# Allegro board BeagleBone AI -64_PCB_V1.02_211119.brd (continued)
## Routing (per net, layer and track width the routed paths; a pad name or vN(x,y) marks a point on that pad's centre or on a via; arc(x,y) is an arc through that point)
2V5/3V3: length 6.9
  TOP w0.203: C543.1 11.76,26.57 11.26,26.57 11.14,26.46 U18.4
  TOP w0.381: v1(12.68,27.84) 12.45,27.61 C543.1
  L10-SIGNAL w0.381: v1(12.33,24.03) 12.33,24.56 12.12,24.77 12.12,27.28 v1(12.68,27.84)
GND: length 2394.5
  TOP w0.076: U26.N2 20.48,62.97 19.81,62.97 v1(19.67,63.12)
  TOP w0.102: U25.G12 17.91,41.29 18.52,41.29 18.56,41.26 18.75,41.26 18.78,41.29
  TOP w0.152: U26.N5 U26.P6
  TOP w0.165: C414.2 4.82,21.71 v1(4.71,21.82) 4.71,21.32 ; v1(-12.39,32.77) -12.49,32.87 C349.2 -12.93,32.6 v1(-12.97,32.56) ; R269.2 -21.23,45.42 -21.28,45.42 v1(-21.3,45.44) ; C354.2 v1(-12.48,34.47) ; J15.4 0.19,72.92 v1(-0.17,73.28) ; C491.2 34.93,54.76 v1(35.06,54.64) ; R218.2 v1(-25.33,57.32) ; D40.1 v1(17.33,20.53) ; C346.2 v1(-16.98,32.36) ; v1(-22.68,71.73) -22.37,72.04 -21.48,72.04 -21.08,71.63 -20.39,71.63 -20.22,71.46 ; v1(-22.68,71.73) -23.03,71.38 J13.7 ; v1(-22.68,71.73) -22.57,71.63 -21.79,71.63 -21.53,71.37 J13.10 ; R263.2 R262.2 -21.56,48.51 -21.56,49.33 -21.41,49.48 -21.41,49.5 -21.38,49.53 v1(-21.38,49.96) ; v1(-13.28,26.19) -13.4,26.06 R294.2 ; v1(35.03,53.39) 34.88,53.24 C492.2 ; -19.57,40.47 -19.59,40.49 v1(-19.7,40.49) ; J13.19 -17.03,72.23 -17.62,72.82 -19.5,72.82 ; v1(12.27,5.61) 12.27,5.69 12.17,5.79 12.17,7.65 11.81,8.01 D39.2 ; v1(37.29,67.34) 36.91,66.96 C496.2 ; J13.4 -24.53,72.47 v1(-23.97,73.03) ; v1(-32.68,43.59) -32.61,43.59 -32.49,43.7 R178.2 ; J13.1 v1(-26.03,73.23) ; C322.2 v1(-30.62,21.77) ; v1(44,6.96) 44.45,6.51 45.22,6.51 D47.1 ; U13.8 v1(-34.24,16.69) ; v1(23.73,28.09) 23.88,28.25 24.26,28.25 24.52,28.5 24.52,28.94 ; J13.13 -20.03,71.27 ; v1(-8.43,30.33) -8.53,30.23 R297.1 ; R271.2 R267.2 -21.67,42.57 -21.97,42.27 -22.49,42.27 v1(-23.11,41.66) ; D42.1 50.97,72.45 50.98,72.44 v1(50.98,72.01) ; R298.2 v1(6.25,8.01) ; C343.2 v1(-18.89,32.36) ; v1(9.51,22.02) 9.51,21.85 9.48,21.82 C540.2 ; R168.2 -35.45,36.25 v1(-35.47,36.23) ; v1(-21.57,38.59) -21.57,38.8 -21.16,39.2 R261.2 -21.22,39.22 -21.87,39.87 R246.2 ; D38.2 9.73,8.01 9.56,8.18 v1(9.43,8.18) ; D33.1 v1(-24.85,27.97) ; v1(-22.63,54.66) -22.73,54.77 R233.2 -22.19,55.01 -21.61,55.59 R259.2 ; C344.2 v1(-17.92,32.37) ; -1.31,69.46 J15.1 ; 40.94,17.26 v1(41.44,17.26) ; C449.2 v1(15.41,9.06)
  TOP w0.203: D29.1 -28.69,53.14 v1(-28.68,53.15) ; 32.32,71.63 32.19,71.5 31.46,71.5 31.15,71.19 J16.1 ; v1(40.06,20.68) 40.06,21.13 40.07,21.14 U29.21 40.07,22.75 v1(40.04,22.79) ; v1(39.5,4.29) 39.5,4.97 39.49,4.98 D44.1 ; v1(18.78,22.25) 18.52,22.51 R317.2 ; J13.16 -18.53,71.07 -18.71,71.25 -20.01,71.25 -20.22,71.46 ; U18.11 8.26,26.96 U18.6 ; U21.10 48.79,8.93 v1(48.57,9.15) 48.57,8.69 48.39,8.51 U21.11 ; D43.1 35.33,4.78 35.29,4.75 v1(35.29,4.29) ; C456.2 17.71,22.48 v1(17.43,22.2) ; v1(42.32,48.64) 42.27,48.69 42.27,48.92 42.13,49.06 U30.21 ; 44.06,11.2 v1(44.08,11.2)
  TOP w0.229: v1(-14.69,58.39) -14.29,57.99 U19.AF25 ; U19.AF20 -10.29,57.99 v1(-10.69,58.39)
  TOP w0.241: v1(39.75,34.3) 40.63,34.3 ; v1(39.75,34.3) 38.87,34.3 ; v1(39.75,34.3) 39.75,33.31 ; -23.88,52.58 C334.2 -23.45,52.15 ; C336.2 -22.06,24.26 ; C336.2 -23.44,24.26 ; C336.2 -22.75,25.13 ; C336.2 -22.75,23.38 ; -25.01,36.71 C333.2 ; C333.2 -24.58,37.14 ; C333.2 -24.58,36.29 ; P8.2 19.82,72.92 ; P8.2 18.87,73.86 ; P8.2 18.87,71.98 ; P8.2 17.93,72.92 ; 4.36,11.61 C408.2 4.68,11.27 ; J9.12 -25.99,1.55 ; J9.12 -27.07,0.47 ; J9.12 -25.99,-0.61 ; J9.12 -24.91,0.47 ; -28.41,44.15 R193.2 -28.1,44.49 ; 42.13,33.27 C515.2 ; C515.2 41.25,34.26 ; C515.2 42.13,35.26 ; C515.2 43,34.26 ; -15.36,8.63 J8.13 ; J8.13 -14,8.63 ; J8.13 -14.68,9.3 ; J8.13 -14.68,7.95 ; C407.2 4.27,22.17 ; C407.2 3.39,21.49 ; C407.2 2.51,22.17 ; -3.57,32.96 C379.2 ; C379.2 -2.95,33.59 ; C379.2 -2.95,32.34 ; 19.33,9.05 C458.2 19.33,10.95 ; -43.67,16.75 v1(-43.67,17.98) ; v1(-43.67,17.98) -43.67,19.21 ; v1(-43.67,17.98) -42.15,17.98 ; MH8.1 45.56,40.19 ; MH8.1 39.41,40.19 ; MH8.1 42.48,43.27 ; MH8.1 42.48,37.11 ; J1.6 -43.67,9.96 ; J1.6 -43.67,7.5 ; J1.6 -42.15,8.73 ; J1.6 -45.2,8.73 ; -5.51,19.8 U20.65 ; U20.65 -5.51,26.25 ; U20.65 -8.73,23.02 ; U20.65 -2.28,23.02 ; 32.15,22.09 C487.2 ; C487.2 32.78,21.47 ; C487.2 32.78,22.71 ; C490.2 35.51,56.29 ; C490.2 34.88,56.91 ; C490.2 34.26,56.29 ; C490.2 34.88,55.66 ; C350.1 -13.28,18.05 ; C350.1 -13.7,17.62 ; C350.1 -14.13,18.05 ; C337.2 -21.87,26 ; C337.2 -22.19,25.67 ; C337.2 -21.87,25.33 ; -24.69,41.24 v1(-24.69,41.67) ; v1(-24.69,41.67) -25.12,41.67 ; v1(-24.69,41.67) -24.69,42.1 ; 39.13,65.74 C507.2 39.82,66.62 ; 32.78,27.49 C483.2 ; C483.2 32.78,28.74 ; C483.2 32.15,28.11 ; C483.2 33.4,28.11 ; 34.26,53.24 C492.2 ; C492.2 34.88,52.62 ; C492.2 35.51,53.24 ; 2.56,26.57 C399.2 ; C399.2 2.99,26.14 ; C399.2 3.41,26.57 ; 13.16,12.33 R312.2 12.3,12.33 ; -24.42,28.23 D33.1 -24.85,28.66 ; -35.45,37.16 R168.2 -35.88,36.73 ; v1(-25.09,37.96) -25.09,38.58 ; v1(-25.09,37.96) -24.46,37.96 ; v1(-25.09,37.96) -25.09,37.34 ; 39.95,62.29 C505.2 ; C505.2 40.82,61.3 ; C505.2 41.7,62.29 ; C505.2 40.82,63.29 ; 45.69,13.92 C546.2 47.42,14.87 ; C397.2 1.15,26.63 ; C397.2 1.47,26.29 ; C397.2 1.15,25.96 ; 39.74,19.54 C502.2 39.05,20.42 ; 12.03,68.11 C434.2 13.4,68.11 ; 15.1,6.66 v1(15.1,7.54) ; v1(15.1,7.54) 14.41,7.54 ; v1(15.1,7.54) 15.1,8.41 ; C488.2 35.43,12.22 ; C488.2 33.67,12.22 ; C488.2 34.55,12.91 ; R175.2 -33.12,39.78 ; R175.2 -33.55,40.21 ; R175.2 -33.98,39.78 ; -15.36,5.43 J8.4 ; J8.4 -14.68,6.1 ; J8.4 -14,5.43 ; J8.4 -14.68,4.75 ; -14.23,20.73 X4.2 -15.65,20.73 ; -0.54,15.94 C324.2 -0.88,16.26 ; 21.81,68.32 C462.2 21.49,67.98 ; -22.15,26.81 D35.1 -21.29,26.81 ; 35.61,43.44 R344.2 34.76,43.44 ; -26.03,69.49 J13.1 -26.36,70.31 ; U15.49 -30.97,34.63 ; U15.49 -28.24,31.9 ; U15.49 -30.97,29.17 ; U15.49 -33.7,31.9 ; 28.02,73.46 J16.24 ; J16.24 30.18,73.46 ; J16.24 29.1,72.18 ; J16.24 29.1,74.74 ; 42.38,50.7 U30.57 ; U30.57 42.38,57.05 ; U30.57 45.55,53.87 ; U30.57 39.2,53.87 ; 23.97,31.24 C464.2 ; C464.2 25.72,31.24 ; C464.2 24.84,30.25 ; -23.83,48.47 C335.2 -23.4,48.04 ; 30.17,16.61 C478.2 30.85,16.61 ; C376.2 -4.85,30.8 ; C376.2 -5.28,30.37 ; C376.2 -5.71,30.8 ; C391.2 2.71,29.99 ; C391.2 2.28,29.57 ; C391.2 2.28,30.42 ; -13.66,21.52 C351.1 -13.23,21.09 ; -11.67,66.52 C360.2 -12.91,66.52 ; 36.51,14.39 C498.2 36.17,14.07 ; C465.2 25.72,28.94 ; C465.2 24.84,27.95 ; C465.2 24.84,29.93 ; C465.2 24.52,28.94 ; C491.2 34.88,55.39 ; C491.2 34.26,54.76 ; C491.2 34.88,54.14 ; -27.67,38.42 R197.2 -27.67,39.28 ; -34.25,45.32 C318.2 -34.57,44.98 ; 0.69,64.43 C389.2 -0.55,64.43 ; -0.57,33.68 C386.2 -0.14,33.26 ; J12.6 -31.31,54.32 ; J12.6 -32.43,54.8 ; J12.6 -32.43,53.85 ; -27.58,44.05 v1(-27.58,44.48) ; v1(-27.58,44.48) -28.01,44.48 ; v1(-27.58,44.48) -27.58,44.91 ; 43.9,47.5 C517.2 43.21,46.62 ; 15.72,11.37 U22.2 17.09,11.37 ; C327.2 -27.22,26 ; C327.2 -27.54,25.66 ; C327.2 -27.22,25.32 ; 52.61,19.95 J2.1 51.92,20.64 ; -15.83,29.53 R285.2 -15.4,29.1 ; C499.2 37.34,14.79 ; C499.2 37.77,14.36 ; C499.2 36.92,14.36 ; -29.16,73.46 J13.24 -27,73.46 ; -25.27,46.9 X2.2 ; X2.2 -25.9,47.58 ; X2.2 -24.64,47.58 ; 40.32,22.72 v1(40.32,25.89) ; v1(40.32,25.89) 37.15,25.89 ; v1(40.32,25.89) 40.32,29.07 ; -26.77,45 X2.4 -27.4,45.68 ; 34.88,51.17 C493.2 ; C493.2 34.26,51.79 ; C493.2 34.88,52.41 ; C493.2 35.51,51.79 ; C364.2 -11.33,33.32 ; C364.2 -11.95,32.7 ; C364.2 -11.33,32.08 ; C364.2 -10.71,32.7 ; 14.92,24.75 C447.2 ; C447.2 15.8,25.43 ; C447.2 15.8,24.06 ; -37.55,43.03 v1(-37.55,42.35) -37.55,41.66 ; C453.2 19.09,16.33 ; C453.2 18.47,15.71 ; C453.2 18.47,16.96 ; C453.2 17.85,16.33 ; 17.93,70.38 P8.1 ; P8.1 19.82,70.38 ; P8.1 18.87,71.32 ; -27.48,49.33 v1(-27.05,49.33) -27.05,48.91 ; C494.2 35.51,50.35 ; C494.2 34.26,50.35 ; C494.2 34.88,50.98 ; 22.54,15.64 Q2.2 22.54,16.64 ; J15.23 12.31,73.46 ; J15.23 10.16,73.46 ; J15.23 11.24,72.18 ; J15.23 11.24,74.74 ; 43.15,61.33 C518.2 ; C518.2 44.03,62.32 ; C518.2 42.27,62.32 ; C365.2 -9.78,62.61 ; C365.2 -10.41,61.99 ; C365.2 -10.41,63.24 ; C365.2 -11.03,62.61 ; v1(3.44,13.01) 4.12,13.01 ; v1(3.44,13.01) 3.44,12.13 ; v1(3.44,13.01) 2.75,13.01 ; Q4.2 49.76,69.2 ; Q4.2 49.26,68.64 ; Q4.2 49.76,68.08 ; Q4.2 50.25,68.64 ; C486.2 32.78,24.18 ; C486.2 32.15,23.56 ; C486.2 32.78,22.94 ; -27.6,25.82 D30.1 -28.03,25.39 ; 7.76,57.71 R301.2 8.08,57.38 ; 7.77,66.48 C416.2 7.77,64.67 ; C388.2 -0.15,15.37 ; C388.2 1.3,14.43 ; C388.2 -0.15,13.49 ; 40.18,45.33 C506.2 ; C506.2 41.06,46.32 ; C506.2 41.94,45.33 ; C506.2 41.06,44.34 ; 23.84,1.2 J6.2 ; J6.2 25.77,0.42 ; J6.2 25.77,1.97 ; J6.2 27.7,1.2 ; C526.2 48.88,67.93 ; C526.2 48.88,66.18 ; C526.2 49.56,67.06 ; -11.73,34.39 C363.2 ; C363.2 -11.3,33.96 ; C363.2 -11.3,34.82 ; 2.23,31.28 C401.2 2.86,30.65 ; 15.96,14.18 R315.2 16.3,14.49 ; 44.53,11.15 U34.3 44.04,11.84 ; C382.2 -2.96,65.11 ; C382.2 -3.58,64.48 ; C382.2 -2.34,64.48 ; C545.2 43.06,15.79 ; C545.2 43.38,15.46 ; C545.2 43.06,15.12 ; 8.84,4.08 J7.8 10.01,4.08 ; 40.13,32.11 C512.2 ; C512.2 40.82,32.99 ; C512.2 41.5,32.11 ; X3.4 -24.57,52.41 ; X3.4 -25.83,52.41 ; X3.4 -25.2,51.73 ; C326.2 -27.27,24.26 ; C326.2 -28.64,24.26 ; C326.2 -27.96,23.38 ; C523.1 48.93,65.69 ; C523.1 48.26,65.69 ; C523.1 48.6,66 ; 48.98,37.83 U33.4 48.67,38.65 ; C372.2 -5.89,33.57 ; C372.2 -5.89,32.32 ; C372.2 -6.51,32.95 ; 46.76,26.96 C521.2 47.63,27.65 ; 38.35,32.11 C501.2 ; C501.2 39.73,32.11 ; C501.2 39.04,32.99 ; 9.6,9.8 R307.2 9.17,9.37 ; -11.18,6.25 J8.7 ; J8.7 -11.86,6.93 ; J8.7 -10.5,6.93 ; J8.7 -11.18,7.6 ; C439.2 13.86,28.79 ; C439.2 13.54,28.45 ; C439.2 13.86,28.11 ; 20.47,24.66 P9.E4 ; P9.E4 21.41,25.6 ; P9.E4 22.36,24.66 ; C387.2 1.15,31.81 ; C387.2 -0.22,31.81 ; C387.2 0.47,30.93 ; -30.92,38.85 R185.2 -30.49,39.28 ; -38.63,43.65 U11.3 -39.25,44.03 ; C524.2 49.91,28.57 ; C524.2 47.93,28.57 ; C524.2 48.92,27.7 ; C524.2 48.92,29.45 ; -16.08,18.43 X4.4 -16.79,19.27 ; D49.1 -37.45,13.12 ; D49.1 -37.02,12.69 ; D49.1 -37.45,12.26 ; -25.1,39.82 v1(-25.1,40.45) ; v1(-25.1,40.45) -25.1,41.07 ; v1(-25.1,40.45) -24.48,40.45 ; v1(-25.1,40.45) -25.72,40.45 ; 23.41,13.02 C467.2 ; C467.2 25.32,13.02 ; C467.2 24.36,14.75 ; P9.43 -34.47,23.06 ; P9.43 -33.52,22.12 ; P9.43 -34.47,21.18 ; 1.59,7.27 C384.2 1.28,6.93 ; 32.15,26.53 C484.2 ; C484.2 32.78,27.16 ; C484.2 32.78,25.91 ; -28.59,38.31 R195.2 -28.16,37.88 ; 0.16,63.16 C390.2 ; C390.2 0.59,63.59 ; C390.2 0.59,62.73 ; -27.76,21.78 D32.1 ; D32.1 -27.34,21.35 ; D32.1 -27.34,22.21 ; J9.14 -36.71,1.55 ; J9.14 -35.63,0.47 ; J9.14 -36.71,-0.61 ; 1.17,24.64 C398.2 1.17,25.31 ; -12.23,17.61 C358.2 -12.57,17.29 ; 42.2,60.12 C516.2 ; C516.2 42.88,61 ; C516.2 43.57,60.12 ; -3.03,30.77 C323.2 -3.37,30.46 ; -27.77,22.8 v1(-27.34,22.8) -27.34,23.23 ; -29.77,20.9 D24.1 ; D24.1 -29.34,20.47 ; D24.1 -28.91,20.9 ; 6.99,8.01 D36.2 7.42,8.44 ; -23.22,17.41 C315.2 ; C315.2 -22.34,18.09 ; C315.2 -23.22,18.78 ; 31.61,16.61 C480.2 30.94,16.61 ; 33,53.22 U27.3 ; U27.3 33,54.48 ; U27.3 33.38,53.85 ; C513.2 41.89,19.49 ; C513.2 40.51,19.49 ; C513.2 41.2,18.62 ; 3.8,64.22 C403.2 4.66,64.22 ; 5.3,64.25 C411.2 6.15,64.25 ; 51.31,55.96 C528.2 ; C528.2 50.32,56.83 ; C528.2 51.31,57.71 ; C528.2 52.3,56.83 ; 17.27,25.33 v1(18.24,25.33) 19.22,25.33 ; 13.88,6.49 C440.2 13.88,5.82 ; 34.88,57.11 C489.2 ; C489.2 34.26,57.73 ; C489.2 35.51,57.73 ; J3.1 51.92,13.13 ; J3.1 51.92,11.76 ; J3.1 52.61,12.45 ; 6.71,8.01 R298.2 6.28,8.44 ; -7.39,66.4 C369.2 -8.08,65.53 ; J16.23 44.78,73.46 ; J16.23 43.7,72.18 ; J16.23 42.62,73.46 ; 10.85,56.34 C427.2 ; C427.2 11.47,56.96 ; C427.2 10.22,56.96 ; C508.2 41.08,61.02 ; C508.2 41.77,60.15 ; C508.2 40.39,60.15 ; -27.33,50.51 X3.2 -26.7,49.83 ; -19,20.44 U9.6 -19.29,20.93 ; C445.2 14.95,9.39 ; C445.2 14.95,8.72 ; C445.2 15.26,9.06 ; 11.32,0.53 R309.1 10.99,0.21 ; 41.44,16.26 v1(41.44,17.26) ; v1(41.44,17.26) 42.32,17.26 ; v1(41.44,17.26) 41.44,18.25 ; P9.44 -33.52,24.66 ; P9.44 -34.47,25.6 ; P9.44 -34.47,23.72 ; 39.19,16.28 C500.2 ; C500.2 38.31,17.27 ; C500.2 40.07,17.27 ; 32.15,25.01 C485.2 ; C485.2 32.78,24.39 ; C485.2 32.78,25.63 ; -35.51,46.89 C317.2 -35.17,46.57 ; 36.56,65.64 C497.2 37.24,66.51 ; 23.19,15.64 Q2.3 23.19,16.64 ; v1(-37.45,13.65) -37.45,14.08 ; v1(-37.45,13.65) -37.45,13.23 ; v1(-37.45,13.65) -37.02,13.65 ; 42.44,45.33 C519.2 ; C519.2 43.32,44.34 ; C519.2 44.2,45.33 ; C519.2 43.32,46.32 ; 19.98,27.6 C455.2 19.55,27.17 ; -11.18,9.45 J8.16 ; J8.16 -11.86,10.13 ; J8.16 -10.5,10.13 ; C525.2 49.83,55.65 ; C525.2 48.95,54.97 ; C525.2 48.95,56.34 ; -2.37,62.77 C383.2 ; C383.2 -1.94,63.2 ; C383.2 -2.37,63.63 ; J1.1 -40.82,15.81 ; J1.1 -39.85,15.23 ; J1.1 -41.8,15.23 ; -12.48,33.96 C354.2 -12.05,34.39 ; -4.44,73.46 J15.24 -3.36,74.74 ; -37.95,22.12 P9.45 ; P9.45 -37.01,21.18 ; P9.45 -37.01,23.06 ; -6.36,33.92 C370.2 ; C370.2 -5.93,34.35 ; C370.2 -6.36,34.78 ; -37.02,14.63 C406.2 -37.45,14.2 ; -9.06,30.23 R297.1 -8.72,30.55 ; -13.52,64.88 C352.2 ; C352.2 -13.95,65.31 ; C352.2 -13.52,65.74 ; -24.58,39.66 C332.2 -24.58,38.8 ; 21.47,16.14 Q2.1 21.89,16.64 ; 2.35,64.22 C395.2 3.21,64.22 ; 13.36,27.27 C543.2 13.98,26.65 ; -29.08,46.9 U16.3 -29.71,47.28 ; 14.9,26.45 C446.2 15.78,25.77 ; 35.36,36.6 R345.2 35.69,36.28 ; 32.78,29.14 C482.2 32.15,29.76 ; C509.2 41.79,47.5 ; C509.2 40.42,47.5 ; C509.2 41.11,46.62 ; -18.41,19.04 U9.11 -22.17,19.04 ; 10.23,0.21 R308.1 10.56,0.53 ; -37.95,24.66 P9.46 -37.01,23.72 ; -31.51,38.42 R180.2 -31.51,39.28
  TOP w0.254: C522.2 v1(46.79,71.99) ; 39.57,26.64 U29.6 ; 39.57,26.64 v1(40.32,25.89) 40.82,26.39 ; 39.57,26.64 39.07,27.14 U29.5 ; C357.2 -13.02,21.57 -12.77,21.31 v1(-12.52,21.31) ; X1.2 -32.74,24.38 -33.09,24.03 -33.09,21.69 -32.3,20.91 -31.01,20.91 -30.62,21.29 v1(-30.62,21.77) ; C404.2 4.35,66.04 4.55,65.84 v1(4.6,65.84) 4.65,65.8 C410.2 5.99,65.8 v1(6.13,65.66) ; C541.2 12.87,24.35 v1(12.91,24.31) ; R312.2 12.73,12.67 12.99,12.93 v1(13.09,12.93) ; D27.1 D26.1 v1(-28.69,58.78) ; v1(38.56,41.35) 37.77,40.56 U28.4 ; C507.2 39.13,67.15 v1(38.97,67.31) ; C544.2 4.8,24.69 v1(4.35,24.24) ; v1(33.2,72.52) 32.65,71.96 ; 32.65,71.96 J16.4 ; 32.65,71.96 32.32,71.63 ; v1(12.08,62.07) v1(12.08,63.28) ; C481.2 32.01,57.68 31.64,58.04 30.86,58.04 30.63,57.81 v1(30.16,57.81) ; -17.58,18.33 -17.58,18.4 -17.66,18.48 -17.66,21.43 -17.37,21.72 -15.8,21.72 -14.94,20.86 X4.2 -14.58,21.09 C351.1 ; -17.58,18.33 v1(-17.66,18.33) ; -17.58,18.33 -17.48,18.43 X4.4 -16.79,18.31 -15.86,17.38 -14.38,17.38 C350.1 ; v1(-35.43,40.21) -35.09,40.55 -35.09,40.92 -34.76,41.26 C319.2 ; J5.B1 34.45,3.83 34.45,2.92 34.78,2.59 v1(34.78,2.11) ; C338.2 -21.03,50.34 -21.37,50 -21.37,49.96 v1(-21.38,49.96) ; v1(34.22,67.67) 34.47,67.41 36.33,67.41 36.53,67.21 C496.2 ; C326.2 -27.96,24.36 -27.98,24.39 v1(-27.98,24.4) ; v1(-8.96,66.8) -8.96,66.79 -8.57,66.4 C369.2 ; C394.2 0.38,21.83 0.21,22 v1(0.16,22) ; 36.07,72.31 v1(36.07,72.37) ; 36.07,72.31 36.57,71.82 36.62,71.82 37.15,71.29 J16.13 ; 36.07,72.31 36.07,71.89 35.65,71.46 J16.10 ; v1(-1.14,15.52) -1.25,15.64 C385.2 -0.55,16.26 C324.2 0.34,16.26 0.39,16.31 v1(0.87,16.31) ; v1(-3.02,14.91) -3.02,15.39 -2.97,15.43 C402.2 ; R180.2 -30.97,38.85 -30.95,38.86 v1(-30.47,38.86) ; v1(1.86,28.4) 1.91,28.44 C393.2 ; J15.7 1.69,72.65 v1(2.24,73.2) 3.19,72.26 J15.10 ; R308.1 v1(9.83,0.53) ; U26.H10 23.23,59.28 23.27,59.32 v1(23.27,60) 23.12,59.84 22.71,59.84 22.58,59.71 U26.K8 ; v1(39.75,34.3) 39.75,35.37 39.1,36.01 36.3,36.01 35.71,36.6 R345.2 ; v1(4.55,73.74) 4.55,72.92 4.69,72.79 J15.13 ; U30.5 40.42,55.12 v1(40.87,55.58) ; C468.2 26.15,32.44 25.54,31.83 ; C460.2 19.44,51.97 19.19,51.72 v1(19.19,51.26) ; v1(13.87,65.79) 13.86,65.77 13.86,65.74 ; 40.82,26.39 41.57,27.14 U29.38 45.3,27.14 45.8,27.65 C521.2 ; 40.82,26.39 42.65,26.39 42.89,26.14 U29.36 ; C511.2 40.68,68.49 v1(40.65,68.45) ; 12.4,59.98 C437.2 12.4,61.05 v1(12.08,61.37) ; C247.2 -12.56,17.6 C358.2 v1(-13.06,17.61) ; D22.1 v1(-39.86,47.13) ; C462.2 21.49,68.78 21.47,68.81 v1(21.47,68.84) ; C320.2 C318.2 -34.57,45.84 -34.36,46.05 v1(-34.36,46.12) -34.36,46.59 -34.66,46.89 C317.2 ; R193.2 -28.41,44.91 v1(-28.91,45.4) ; C340.2 v1(-19.48,30.85) ; v1(10.6,0.51) 10.62,0.53 R309.1 ; U30.6 40.51,54.62 40.63,54.51 v1(41.1,54.51) ; C432.2 v1(10.99,30.56) ; v1(39.15,74.78) 39.15,74.3 37.29,72.45 37.29,71.65 37.68,71.26 38.33,71.26 38.65,70.94 J16.16 ; v1(-27.91,4.29) -27.98,4.37 R158.2 ; J16.7 34.15,71.94 v1(34.73,72.52) ; -1.13,14.26 v1(-1.13,14.14) ; C4.2 C356.2 -13.28,24.92 v1(-13.26,24.9) C355.2 ; U30.36 45.62,54.12 45.62,54.13 v1(45.14,54.13) ; U25.C12 17.95,38.74 18.1,38.74 U25.D11 ; C367.2 v1(-9.7,34.27) ; 10.85,65.74 10.78,65.74 v1(10.75,65.71) ; U31.4 51.6,36.9 v1(51.64,36.86) ; C419.2 8.93,68.12 8.52,68.53 8.52,68.96 8.15,69.32 7.69,69.32 ; U33.1 47.18,38.28 46.92,38.53 v1(46.46,38.53) ; C380.2 -5.68,16.13 -5.07,16.13 v1(-4.87,15.93) ; J15.16 6.19,72.58 v1(6.89,73.28) 7.23,72.94 7.23,72.71 7.69,72.25 J15.19 7.69,69.32 ; U11.3 -37.92,44.03 -37.81,44.15 v1(-37.23,44.15) ; C387.2 v1(0.47,31.82) ; v1(48.83,37.14) 48.67,37.29 U33.4 ; -33.51,50.17 -33.51,49.98 -30.91,47.37 -30.32,47.37 -29.85,46.9 U16.3 ; C527.1 50.54,63.28 v1(50.65,63.4) 51.14,63.88 52.84,63.88 53.12,63.6 53.12,59.15 52.88,58.92 C529.1 ; C475.2 v1(29.01,37.72) ; J11.3 v1(-45.05,42.24) ; U26.J5 23.24,60.71 v1(23.53,60.71) 23.73,60.92 U26.G5 ; v1(50.7,68.25) 51.28,68.25 51.92,67.61 C530.2 52.54,67.08 52.57,67.06 v1(53.04,67.06) ; C470.2 v1(26.55,33.89) ; v1(8.08,63.35) 8.01,63.35 7.83,63.53 C415.2 ; J16.19 40.15,73.93 40.73,74.52 v1(40.73,74.99) ; 7.69,69.32 v1(7.68,69.32) ; C347.2 v1(-17.44,28.48) ; v1(27.24,60.53) 27.05,60.71 U26.A6 ; v1(44.48,67.03) 43.92,66.47 U32.11 42.45,66.47 42.25,66.27 42.25,65.66 41.99,65.41 41.56,65.41 ; v1(19.77,60.07) 19.77,60.24 U26.P6 ; C480.2 v1(31.27,17.68) ; 4.91,42.78 U19.G1 ; C383.2 v1(-2.66,63.2) ; v1(25.15,59.97) 24.91,60.21 U26.E7 ; v1(15.55,5.56) 14.96,6.15 C440.2 ; v1(30.12,53.25) C477.2 29.06,53.25 28.75,53.55 C472.2 28.43,53.7 v1(28.43,53.85) ; U26.C4 v1(25.25,61.22) ; U14.2 -29.64,41.83 v1(-29.25,42.22) -28.92,42.55 R192.2 -28.97,42.7 -29.46,42.7 -29.59,42.83 U14.4 ; v1(12.55,68.61) 12.53,68.58 12.53,68.48 12.71,68.3 C434.2 12.83,68.23 v1(12.91,68.23) ; U31.1 50.1,39.09 50.1,39.1 v1(50.1,39.57) ; v1(-7.28,14.96) -6.97,15.28 C371.2 ; v1(40.34,2.59) 40.39,2.64 40.39,3.83 J5.B12 ; D25.1 v1(-28.69,59.67) ; R164.2 -20.09,22.74 v1(-19.75,22.4) -19.55,22.2 C539.2 ; R315.2 17.08,14.18 17.09,14.19 17.14,14.19 v1(17.48,14.53) ; v1(-28.68,53.15) -28.67,53.15 -28.67,53.24 -28.69,53.22 D28.1 ; v1(1.68,25.02) 1.64,24.97 C398.2 ; C316.2 v1(-36.55,38) ; v1(49.51,6.02) 50.14,5.39 50.17,5.39 50.17,4.73 49.84,4.4 R313.1 ; C321.2 -30.99,26.03 -30.22,26.03 -29.18,25 -29.18,23.74 -30.04,22.88 X1.4 -30.09,22.31 C322.2 ; R238.2 -22.89,48.08 -23.12,48.31 v1(-23.12,48.78) ; v1(18.8,63.17) 19.14,62.83 19.14,62.02 19.45,61.71 U26.P4 ; v1(-19.64,28.38) v1(-18.48,28.38) ; C542.2 12.76,25.34 v1(12.76,25.25) ; U17.3 v1(-26.83,19.01) ; C478.2 30.51,16.69 30.31,16.89 v1(30.31,17.48) ; C474.2 29.98,34.48 30.39,34.88 v1(30.46,34.88) ; C392.2 1.85,32.36 1.86,32.36 v1(1.86,31.88) ; C345.2 v1(-17.41,30.85) ; -1.31,69.46 -1.12,69.27 0.01,69.27 0.19,69.45 J15.4 ; C374.2 v1(-6.62,31.29) ; v1(-27.65,38.86) -27.99,38.53 -27.99,38.47 R195.2 ; R293.2 v1(-13.55,27.54) ; R301.2 v1(7.76,56.89)
  TOP w0.305: v1(-12.29,37.58) -11.89,37.98 U19.A22 ; U19.C17 -7.89,39.58 v1(-8.29,39.18) ; U25.V8 20.46,47.8 v1(20.39,47.8) ; v1(3.09,32.87) 3.09,32.97 ; v1(25.99,49.1) 25.91,49.1 U25.W2 ; v1(5.31,47.98) 4.91,48.38 U19.P1 ; U19.L15 -6.29,45.98 v1(-6.69,45.58) ; 12.4,59.98 v1(12.39,59.99) ; U19.P10 -2.29,48.38 v1(-1.89,47.98) ; v1(26.79,39.99) 26.46,39.67 U25.E1 ; v1(0.51,57.59) 0.11,57.19 U19.AE7 ; v1(-9.09,49.59) -8.69,49.99 U19.T18 ; U19.P16 -7.09,48.38 v1(-7.49,47.98) ; U19.U21 -11.08,50.79 v1(-11.48,51.19) ; v1(-8.29,56.79) -7.89,56.39 U19.AD17 ; U19.AJ10 -2.29,60.39 v1(-1.89,60.79) ; v1(-8.29,58.39) -7.89,57.99 U19.AF17 ; v1(-3.49,40.78) -3.89,41.18 U19.E12 ; U25.E5 23.02,39.51 22.71,39.51 22.61,39.4 v1(22.12,39.4) ; v1(-1.89,37.58) -2.29,37.98 U19.A10 ; U19.N19 -9.49,47.58 v1(-9.89,47.18) ; C334.2 -24.94,52.15 X3.4 -25.2,52.46 -25.95,53.21 -27.22,53.21 -27.53,52.91 -27.53,51.39 -26.7,50.56 X3.2 -27.05,50.16 v1(-27.05,49.33) ; v1(0.51,47.18) 0.11,47.58 U19.N7 ; v1(19.28,30.49) v1(20.48,30.49) ; U19.B21 -11.09,38.78 v1(-11.49,38.38) ; v1(-9.88,55.19) -9.48,54.79 U19.AB19 ; U19.J7 0.11,44.38 v1(0.51,43.98) ; U19.AB17 -7.89,54.79 v1(-8.29,55.19) ; v1(-7.49,54.39) -7.09,53.99 U19.AA16 ; v1(0.51,39.98) 0.11,40.38 U19.D7 ; U19.AH20 -10.29,59.59 v1(-10.69,59.99) ; v1(6.27,32.63) C412.2 v1(5.57,32.63) ; v1(-16.29,47.18) -15.89,47.58 U19.N27 ; v1(-6.69,43.98) -6.29,44.38 U19.J15 ; U25.V12 17.95,48.49 18.1,48.49 U25.W11 18.1,49.05 17.95,49.05 U25.Y12 17.51,49.42 v1(17.19,49.75) ; U19.M4 2.51,46.78 v1(2.91,46.38) ; U19.A19 -9.49,37.98 v1(-9.89,37.58) ; v1(-9.09,47.98) -8.69,48.38 U19.P18 ; v1(26.79,41.29) 26.71,41.29 U25.G1 ; v1(0.51,48.79) 0.11,49.19 U19.R7 ; U19.P28 -16.69,48.38 v1(-17.09,47.98) ; v1(0.51,54.39) 0.11,53.99 U19.AA7 ; v1(-2.69,39.18) -3.09,39.58 U19.C11 ; v1(-9.89,51.19) -9.49,50.78 U19.U19 ; v1(18.79,46.5) 19.11,46.82 U25.T10 ; v1(-7.49,43.18) -7.09,43.58 U19.H16 ; U19.AG7 0.11,58.79 v1(0.51,59.19) ; v1(-5.09,41.58) -5.49,41.98 U19.F14 ; U25.V1 26.06,47.8 v1(25.99,47.8) ; U19.N15 -6.29,47.58 v1(-6.69,47.18) ; U19.AJ7 0.11,60.39 v1(0.51,60.79) ; U19.R15 -6.29,49.19 v1(-6.69,48.79) ; v1(2.11,59.99) 1.71,59.59 U19.AH5 ; v1(-10.69,44.78) -10.29,45.18 U19.K20 ; v1(22.73,49.67) 22.97,49.42 U25.Y5 23.84,48.77 U25.W4 ; U19.B12 -3.89,38.78 v1(-3.49,38.38) ; v1(-2.69,42.38) -3.09,42.78 U19.G11 ; U25.P1 26.71,45.2 v1(26.79,45.2) ; U19.Y17 -7.89,53.19 v1(-8.29,53.59) ; Q2.1 21.89,15.71 22.16,15.44 23.06,15.44 ; v1(8.21,35.78) C417.2 v1(8.21,35.09) ; v1(-8.29,48.79) -7.89,49.19 U19.R17 ; -11.09,44.38 U19.J21 -11.09,44.38 ; -11.09,44.38 v1(-11.49,43.98) ; U19.T10 -2.29,49.99 v1(-1.89,49.59) ; U19.T16 -7.09,49.99 v1(-7.49,49.59) ; v1(-5.09,46.38) -5.49,46.78 U19.M14 ; U19.U17 v1(-8.29,51.19) ; U19.W13 -4.69,52.39 v1(-4.29,52.79) ; v1(-13.09,43.99) -12.69,44.39 U19.J23 ; v1(-9.09,38.38) -8.69,38.78 U19.B18 ; U19.AE12 -3.89,57.19 v1(-3.49,57.59) ; U19.AF11 -3.09,57.99 v1(-2.69,58.39) ; U19.L7 0.11,45.98 v1(0.51,45.58) ; U25.K4 23.91,42.92 v1(23.59,42.59) ; v1(-27.58,44.48) -27.57,44.88 X2.4 -26.77,45.73 -27.65,46.61 -27.65,48.11 -27.35,48.41 -25.88,48.41 -25.27,47.81 X2.2 -24.81,48.04 C335.2 ; U19.AE16 -7.09,57.19 v1(-7.49,57.59) ; v1(17.19,46.5) 17.51,46.82 U25.T12 ; U19.K4 2.51,45.18 v1(2.91,44.78) ; U19.U5 1.71,50.79 v1(2.11,51.19) ; v1(15.42,61.84) 15.45,61.84 15.45,61.85 15.4,61.9 15.4,62.06 15.07,62.39 C444.2 ; v1(2.91,43.18) 2.51,43.58 U19.H4 ; U19.K16 -7.09,45.18 v1(-7.49,44.78) ; C369.2 -8.08,66.58 v1(-8.45,66.96) ; v1(-4.29,60.79) -4.69,60.39 U19.AJ13 ; v1(-0.29,55.19) -0.69,54.79 U19.AB8 ; U19.L23 -12.69,45.98 v1(-13.09,45.58) ; U19.G7 v1(0.51,42.38) ; U25.T5 23.19,46.82 v1(23.59,46.5) ; v1(3.71,47.18) 3.31,47.58 U19.N3 ; U25.T8 20.79,46.82 v1(20.39,46.5) ; v1(4.51,59.99) 4.11,59.59 U19.AH2 ; v1(-2.69,46.38) -2.29,46.78 U19.M10 ; v1(-8.29,45.58) -7.89,45.98 U19.L17 ; v1(-4.29,42.38) -4.69,42.78 U19.G13 ; v1(-0.29,46.38) -0.69,46.78 U19.M8 ; v1(2.11,58.39) 1.71,57.99 U19.AF5 ; v1(18.37,65.84) 18.06,66.15 U24.3 ; C420.2 10.07,57.74 C427.2 v1(10.85,56.97) ; v1(-8.29,43.98) -7.89,44.38 U19.J17 ; v1(-1.09,40.78) -1.49,41.18 U19.E9 ; U19.W9 -1.49,52.39 v1(-1.09,52.79) ; U19.P8 -0.69,48.38 v1(-0.29,47.98) ; U25.K11 v1(18.79,42.59) 18.86,42.59 U25.J10 ; v1(-6.69,57.59) -6.29,57.19 U19.AE15 ; U25.G10 19.11,40.97 v1(18.79,41.29) 18.78,41.29 ; U19.B15 -6.29,38.78 v1(-6.69,38.38) ; v1(-0.29,51.99) -0.69,51.59 U19.V8 ; U19.D10 -2.29,40.38 v1(-1.89,39.98) ; U19.AH11 -3.09,59.59 v1(-2.69,59.99) ; v1(-8.29,59.99) -7.89,59.59 U19.AH17 ; U19.V10 -2.29,51.59 v1(-1.89,51.99) ; v1(21.19,51.2) 20.79,50.8 U25.AB8 ; v1(-12.29,44.78) -11.89,45.18 U19.K22 ; v1(-9.89,48.79) -9.49,49.19 U19.R19 ; v1(-6.69,51.19) -6.29,50.79 U19.U15 ; U19.AC10 -2.29,55.59 v1(-1.89,55.99) ; v1(12.08,61.37) C436.2 v1(12.08,62.07) ; v1(-0.29,58.39) -0.69,57.99 U19.AF8 ; v1(1.31,46.38) 0.91,46.78 U19.M6 ; v1(-10.69,43.18) -10.29,43.58 U19.H20 ; v1(2.91,59.19) 2.51,58.79 U19.AG4 ; U25.AB5 v1(23.19,51.26) ; v1(1.31,43.18) 0.91,43.58 U19.H6 ; U19.D13 -4.69,40.38 v1(-4.29,39.98) ; U19.AJ19 -9.49,60.39 v1(-9.89,60.79) ; U19.C8 -0.69,39.58 v1(-0.29,39.18) ; C474.2 C471.2 v1(27.34,34.48) ; 19.99,39.02 19.99,39.03 20.38,39.35 v1(20.38,39.35) ; 19.99,39.02 U25.D9 ; 19.99,39.02 20.79,38.37 U25.C8 ; U19.D16 -7.09,40.38 v1(-7.49,39.98) ; U19.AG10 -2.29,58.79 v1(-1.89,59.19) ; U19.L21 -11.09,45.98 v1(-11.49,45.58) ; C389.2 0.07,63.68 C390.2 ; v1(-11.48,53.59) -11.08,53.19 U19.Y21 ; U19.AF14 -5.49,57.99 v1(-5.89,58.39) ; v1(-5.08,50.38) -5.48,49.98 U19.T14 ; U19.T8 -0.69,49.99 v1(-0.29,49.59) ; v1(17.19,38.04) U25.C12 ; v1(28.98,42.71) C473.2 v1(28.28,42.71) ; U25.J1 26.71,42.59 v1(26.79,42.59) ; v1(-4.29,37.58) -4.69,37.98 U19.A13 ; U19.M18 -8.69,46.78 v1(-9.09,46.38) ; U19.F4 v1(2.91,41.58) ; v1(-4.29,55.99) -4.69,55.59 U19.AC13 ; v1(-3.49,53.59) -3.89,53.19 U19.Y12 ; C366.2 v1(-9.48,66.43) ; v1(-4.29,59.19) -4.69,58.79 U19.AG13 ; v1(-10.69,46.38) -10.29,46.78 U19.M20 ; v1(19.19,51.26) 19.19,51.26 U25.AB10 ; v1(-5.09,43.18) -5.49,43.58 U19.H14 ; v1(-5.89,56.79) -5.49,56.39 U19.AD14 ; U19.P4 2.51,48.38 v1(2.91,47.98) ; v1(-0.29,44.78) -0.69,45.18 U19.K8 ; v1(0.51,37.58) 0.11,37.98 U19.A7 ; v1(-4.29,54.39) -4.69,53.99 U19.AA13 ; U19.AB22 v1(-12.29,55.19) ; v1(23.59,45.2) 23.91,44.87 U25.N4 ; U19.G17 -7.89,42.78 v1(-8.29,42.38) ; v1(-5.09,39.18) -5.49,39.58 U19.C14 ; U25.D2 25.91,38.69 v1(25.99,38.69) 26.06,38.69 U25.C1 ; U19.V12 -3.89,51.59 v1(-3.49,51.99) ; U19.R13 -4.69,49.19 v1(-4.29,48.79) ; U19.N17 -7.89,47.58 v1(-8.29,47.18) ; U19.K10 v1(-1.89,44.78) ; U25.T3 24.46,47.15 v1(24.39,47.15) ; v1(7.49,32.66) C413.2 v1(6.79,32.66) ; v1(21.19,49.75) 20.86,49.42 U25.Y8 20.42,49.05 20.27,49.05 U25.W9 ; U19.L9 v1(-1.09,45.58) ; U19.V18 v1(-9.09,51.99) ; U19.R9 -1.49,49.19 v1(-1.09,48.79) ; U19.AA9 -1.49,53.99 v1(-1.09,54.39) ; v1(-9.88,53.59) -9.48,53.19 U19.Y19 ; v1(-3.49,47.98) -3.89,48.38 U19.P12 ; v1(5.31,44.78) 5.31,44.78 U19.K1 ; v1(8.76,32.66) C418.2 v1(8.06,32.66) ; U19.M16 -7.09,46.78 v1(-7.49,46.38) ; U25.T1 26.71,46.5 v1(26.79,46.5) ; v1(-5.89,59.99) -5.49,59.59 U19.AH14 ; v1(25.19,37.39) 24.86,37.07 U25.A3 ; U19.AD11 -3.09,56.39 v1(-2.69,56.79) ; U19.B9 -1.49,38.78 v1(-1.09,38.38) ; v1(-1.89,53.59) -2.29,53.19 U19.Y10 ; v1(10.88,35.09) C431.2 v1(10.88,35.78) ; U19.AA11 -3.09,53.99 v1(-2.69,54.39) ; U19.E15 -6.29,41.18 v1(-6.69,40.78) ; v1(-1.89,43.18) -2.29,43.58 U19.H10 ; U25.V5 23.11,48.12 v1(22.78,47.8) ; v1(5.31,46.38) 4.91,46.78 U19.M1 ; v1(-7.49,59.19) -7.09,58.79 U19.AG16 ; U19.N21 -11.09,47.58 v1(-11.49,47.18) ; U19.K14 -5.49,45.18 v1(-5.09,44.78) ; 12.08,63.97 C435.2 v1(12.08,63.28) ; v1(-14.14,65.1) -13.72,65.1 C352.2 ; U25.J3 v1(25.19,42.59) 25.51,42.92 U25.K2 ; C362.2 v1(-11.64,64.63) ; v1(-9.89,59.19) -9.49,58.79 U19.AG19 ; R307.2 9.6,8.35 v1(9.43,8.18) ; v1(-3.49,43.18) -3.89,43.58 U19.H12 ; v1(21.19,39.34) 21.11,39.34 U25.E8 ; U19.D19 -9.49,40.38 v1(-9.89,39.98) ; v1(-9.09,43.19) -8.69,43.59 U19.H18 ; v1(23.59,40.64) 23.51,40.64 U25.G5 ; v1(-11.49,49.59) -11.09,49.99 U19.T21 ; v1(-5.89,51.99) -5.49,51.59 U19.V14 ; v1(3.71,45.58) 3.31,45.98 U19.L3 ; v1(5.31,42.38) U19.G1 ; U25.E12 17.89,39.37 18.04,39.37 U25.D11 ; U19.Y8 -0.69,53.19 v1(-0.29,53.59) ; v1(-9.89,57.59) -9.49,57.19 U19.AE19 ; U19.B3 v1(3.71,38.38) ; v1(2.91,60.79) 2.51,60.39 U19.AJ4 ; v1(17.19,45.2) 17.26,45.2 U25.P12 ; U19.AJ16 -7.09,60.39 v1(-7.49,60.79) ; U25.G3 24.86,40.97 v1(25.19,41.29) ; v1(2.11,39.18) 1.71,39.58 U19.C5 ; v1(-6.69,42.38) -6.29,42.78 U19.G15 ; U19.W20 v1(-10.69,52.79) ; v1(-10.69,39.18) -10.29,39.58 U19.C20 ; U17.8 -26.83,16.98 v1(-26.84,16.97) ; v1(20.39,41.29) 20.79,40.97 U25.G8 ; v1(-5.89,54.39) -5.49,53.99 U19.AA14 ; U19.AA18 -8.68,53.99 v1(-9.08,54.39) ; 17.96,30.49 v1(18.5,30.49) ; U19.J13 -4.69,44.38 v1(-4.29,43.98) ; U25.D4 23.7,38.74 23.55,38.74 U25.C5 23.06,38.37 v1(22.76,38.07) ; v1(-2.69,52.79) -3.09,52.39 U19.W11 ; U19.K12 -3.89,45.18 v1(-3.49,44.78) ; U19.E1 v1(5.31,40.78) ; v1(-1.89,57.59) -2.29,57.19 U19.AE10 ; U19.P20 -10.29,48.38 v1(-10.69,47.98) ; U19.D4 v1(2.91,39.98) ; U25.N2 25.51,44.87 v1(25.19,45.2) U25.P3 ; U19.D2 4.11,40.38 v1(4.51,39.98) ; U25.AB3 v1(24.79,51.26) ; U19.AC16 -7.09,55.59 v1(-7.49,55.99) ; v1(31.02,34.88) v1(30.46,34.88) ; v1(-10.68,55.19) -10.28,54.79 U19.AB20 ; v1(10.09,32.27) v1(9.4,32.27) ; C360.2 v1(-12.29,66.96) ; v1(-7.49,52.79) -7.09,52.39 U19.W16 ; v1(-9.89,45.58) -9.49,45.98 U19.L19 ; U19.N29 -17.49,47.58 v1(-17.89,47.18) ; U25.N11 18.78,45.19 v1(18.78,45.19) 18.86,45.19 U25.P10 ; v1(-17.09,46.38) -16.69,46.78 U19.M28 ; v1(-4.29,45.58) -4.69,45.98 U19.L13 ; U25.K9 20.06,42.92 v1(20.39,42.59) ; C382.2 -2.96,64 -2.89,63.93 v1(-2.89,63.76) ; U19.J9 v1(-1.09,43.98) ; U25.N9 v1(20.39,45.2) ; U19.AH8 -0.69,59.59 v1(-0.29,59.99) ; U19.F8 v1(-0.29,41.58) ; U25.A10 v1(19.19,36.53) ; U19.E5 v1(2.11,40.78) ; U19.Y15 -6.29,53.19 v1(-6.69,53.59) ; U19.H8 v1(-0.29,43.18) ; U25.Y1 26.46,49.42 v1(26.79,49.75) ; U19.C1 v1(5.31,39.18) ; U19.J11 v1(-2.69,43.98) ; U19.K18 -8.69,45.18 v1(-9.09,44.78) ; U19.R3 3.31,49.19 v1(3.71,48.79) ; v1(-7.49,37.58) -7.09,37.98 U19.A16 ; U19.P14 v1(-5.09,47.98) ; v1(1.31,38.38) 0.91,38.78 U19.B6 ; v1(-1.09,51.19) -1.49,50.79 U19.U9 ; U25.J12 v1(17.19,41.94)
  TOP w0.381: U12.3 -39.38,46.65 v1(-39.86,47.13) ; R346.2 C495.2 35.63,43.44 35.62,43.44 v1(35.08,43.44) ; J13.24 -28.08,74.65 v1(-28.11,74.68) ; U34.3 44.04,10.43 43.8,10.19 43.36,10.19 43.36,10.19 43.08,10.47 U34.2 ; v1(40.42,5.34) 40.42,4.8 v1(40.44,4.78) 40.47,4.75 J5.B12 ; v1(9.43,8.18) 9.26,8.01 D37.2 ; v1(45.68,4.22) 44.92,4.97 R30.2 ; v1(-0.58,65.28) 0.07,64.63 C389.2 ; J3.1 51.16,12.45 50.93,12.68 50.93,13.51 50.53,13.92 C546.2 ; v1(34.4,5.36) 34.37,5.34 v1(34.37,4.8) 34.37,4.8 J5.B1 ; U13.3 U13.8 ; R292.2 R291.2 v1(-13.55,29.6) -13.55,29.82 -13.93,30.2 -15.08,30.2 -15.4,29.88 R285.2 ; v1(44,6.96) 44.79,7.75 R25.2 ; v1(-14.78,16.77) -14.74,16.73 R290.1 ; v1(-31.41,54.33) -30.94,54.33 v1(-30.58,54.69) -30.42,54.85 D23.1 ; v1(-23.73,22.8) D34.1 -23.1,22.95 v1(-22.75,23.29) ; -19.5,72.82 -20.59,71.73 v1(-22.68,71.73)
  TOP w0.406: v1(-27.5,71.81) -28.08,72.39 J13.24 ; v1(43.82,74.91) 43.82,74.65 43.7,74.52 J16.23 ; J13.23 -13.48,74.37 v1(-13.13,74.73)
  TOP w0.419: 51.92,19.27 J2.1 51.24,19.95
  L2-GND w0.203: J5.B12 40.37,3.81 40.37,3.25 ; 34.4,3.88 34.47,3.81 34.47,3.38
  L2-GND w0.254: 34.4,3.88 J5.B1
  L2-GND w0.381: 18.87,69.44 P8.1 ; P8.1 17.93,70.38 ; P8.1 19.82,70.38 ; P8.1 18.87,71.32 ; 11.81,4.08 J7.14 10.64,4.08 ; 42.48,37.11 MH8.1 ; MH8.1 45.56,40.19 ; MH8.1 42.48,43.27 ; MH8.1 39.41,40.19 ; P9.E4 21.41,25.6 ; P9.E4 20.47,24.66 ; P9.E4 22.36,24.66 ; P9.E4 21.41,23.72 ; J8.7 -11.18,7.6 ; J8.7 -11.18,6.25 ; J8.7 -11.86,6.93 ; J8.7 -10.5,6.93 ; -25.99,-0.61 J9.12 ; J9.12 -27.07,0.47 ; J9.12 -25.99,1.55 ; J9.12 -24.91,0.47 ; -35.41,24.66 P9.44 ; P9.44 -34.47,25.6 ; P9.44 -34.47,23.72 ; P9.44 -33.52,24.66 ; -37.95,24.66 P9.46 ; P9.46 -37.01,23.72 ; P9.46 -36.06,24.66 ; -15.36,8.63 J8.13 ; J8.13 -14,8.63 ; J8.13 -14.68,9.3 ; J8.13 -14.68,7.95 ; -11.18,9.45 J8.16 ; J8.16 -11.86,10.13 ; J8.16 -10.5,10.13 ; J8.16 -11.18,10.8 ; 18.87,71.98 P8.2 ; P8.2 19.82,72.92 ; P8.2 17.93,72.92 ; P8.2 18.87,73.86 ; 51.24,19.95 J2.1 ; J2.1 51.92,19.27 ; J2.1 52.61,19.95 ; -35.41,22.12 P9.43 ; P9.43 -34.47,23.06 ; P9.43 -34.47,21.18 ; P9.43 -33.52,22.12 ; -37.95,22.12 P9.45 ; P9.45 -37.01,21.18 ; P9.45 -37.01,23.06 ; P9.45 -36.06,22.12 ; J3.1 52.61,12.45 ; J3.1 51.92,11.76 ; J3.1 51.24,12.45 ; 8.84,4.08 J7.8 10.01,4.08 ; J9.14 -36.71,1.55 ; J9.14 -35.63,0.47 ; J9.14 -36.71,-0.61 ; 34.37,4.39 J5.B1 34.85,3.91 ; 23.84,1.2 J6.2 ; J6.2 27.7,1.2 ; J6.2 25.77,0.42 ; J6.2 25.77,1.97 ; J8.4 -14.68,6.1 ; J8.4 -14,5.43 ; J8.4 -14.68,4.75 ; J8.4 -15.36,5.43 ; 40.47,4.39 J5.B12 39.99,3.91
  L3-SIGNAL w0.305: v1(20.39,42.59) 20.69,42.9 v1(20.69,44) 20.86,44.17 20.86,44.89 20.56,45.2 v1(20.39,45.2)
  L3-SIGNAL w0.356: 34.85,3.91 J5.B1 34.37,4.39 ; J8.7 -11.18,7.6 ; J8.7 -11.18,6.25 ; J8.7 -10.5,6.93 ; J8.7 -11.86,6.93 ; J3.1 52.61,12.45 ; J3.1 51.24,12.45 ; J3.1 51.92,11.76 ; J3.1 51.92,13.13 ; J9.14 -35.63,0.47 ; J9.14 -36.71,1.55 ; J9.14 -36.71,-0.61 ; 18.87,71.98 P8.2 ; P8.2 17.93,72.92 ; P8.2 19.82,72.92 ; P8.2 18.87,73.86 ; -34.47,23.72 P9.44 -34.47,25.6 ; P8.1 19.82,70.38 ; P8.1 17.93,70.38 ; P8.1 18.87,71.32 ; -14.68,7.95 J8.13 ; J8.13 -15.36,8.63 ; J8.13 -14,8.63 ; J8.13 -14.68,9.3 ; -11.18,9.45 J8.16 ; J8.16 -11.86,10.13 ; J8.16 -10.5,10.13 ; 11.81,4.08 J7.14 10.64,4.08 ; J9.12 -25.99,1.55 ; J9.12 -27.07,0.47 ; J9.12 -25.99,-0.61 ; J9.12 -24.91,0.47 ; 39.99,3.91 J5.B12 40.47,4.39 ; J8.4 -14.68,6.1 ; J8.4 -15.36,5.43 ; J8.4 -14.68,4.75 ; J8.4 -14,5.43 ; -37.01,21.18 P9.45 -37.01,23.06 ; J6.2 25.77,1.97 ; J6.2 25.77,0.42 ; J6.2 23.84,1.2 ; J6.2 27.7,1.2 ; P9.E4 21.41,25.6 ; P9.E4 20.47,24.66 ; P9.E4 22.36,24.66 ; J2.1 51.92,20.64 ; J2.1 52.61,19.95 ; J2.1 51.24,19.95 ; J2.1 51.92,19.27 ; 8.84,4.08 J7.8 10.01,4.08 ; 42.48,37.11 MH8.1 ; MH8.1 39.41,40.19 ; MH8.1 42.48,43.27 ; -34.47,23.06 P9.43 -34.47,21.18
  L4-GND w0.203: 40.35,3.28 40.35,3.79 J5.B12 ; J5.B1 34.45,3.83 34.45,3.3
  L4-GND w0.381: P8.2 18.87,73.86 ; P8.2 17.93,72.92 ; P8.2 18.87,71.98 ; P8.2 19.82,72.92 ; -35.41,22.12 P9.43 ; P9.43 -33.52,22.12 ; P9.43 -34.47,23.06 ; P9.43 -34.47,21.18 ; 10.64,4.08 J7.14 11.81,4.08 ; J9.12 -24.91,0.47 ; J9.12 -25.99,1.55 ; J9.12 -27.07,0.47 ; J9.12 -25.99,-0.61 ; 34.85,3.91 J5.B1 34.37,4.39 ; -36.71,-0.61 J9.14 ; J9.14 -36.71,1.55 ; J9.14 -35.63,0.47 ; P9.44 -34.47,25.6 ; P9.44 -35.41,24.66 ; P9.44 -33.52,24.66 ; P9.44 -34.47,23.72 ; P9.45 -37.01,23.06 ; P9.45 -36.06,22.12 ; P9.45 -37.01,21.18 ; P9.45 -37.95,22.12 ; 51.24,12.45 J3.1 ; J3.1 52.61,12.45 ; J3.1 51.92,11.76 ; -11.86,10.13 J8.16 ; J8.16 -11.18,10.8 ; J8.16 -11.18,9.45 ; J8.16 -10.5,10.13 ; P9.46 -36.06,24.66 ; P9.46 -37.01,23.72 ; P9.46 -37.95,24.66 ; J6.2 27.7,1.2 ; J6.2 23.84,1.2 ; J6.2 25.77,1.97 ; J6.2 25.77,0.42 ; 17.93,70.38 P8.1 ; P8.1 18.87,69.44 ; P8.1 18.87,71.32 ; P8.1 19.82,70.38 ; 39.41,40.19 MH8.1 ; MH8.1 42.48,43.27 ; MH8.1 42.48,37.11 ; MH8.1 45.56,40.19 ; 10.01,4.08 J7.8 8.84,4.08 ; -11.86,6.93 J8.7 ; J8.7 -11.18,7.6 ; J8.7 -10.5,6.93 ; J8.7 -11.18,6.25 ; 39.99,3.91 J5.B12 40.47,4.39 ; J8.4 -14.68,6.1 ; J8.4 -15.36,5.43 ; J8.4 -14.68,4.75 ; J8.4 -14,5.43 ; -14.68,7.95 J8.13 ; J8.13 -14,8.63 ; J8.13 -14.68,9.3 ; J8.13 -15.36,8.63 ; P9.E4 22.36,24.66 ; P9.E4 21.41,23.72 ; P9.E4 20.47,24.66 ; P9.E4 21.41,25.6 ; 51.92,19.27 J2.1 ; J2.1 52.61,19.95 ; J2.1 51.24,19.95
  L5-SIGNAL w0.356: -37.01,21.18 P9.45 ; P9.45 -36.06,22.12 ; P9.45 -37.01,23.06 ; P9.E4 21.41,25.6 ; P9.E4 20.47,24.66 ; P9.E4 21.41,23.72 ; P9.E4 22.36,24.66 ; J9.12 -25.99,1.55 ; J9.12 -27.07,0.47 ; J9.12 -24.91,0.47 ; J9.12 -25.99,-0.61 ; J8.4 -14,5.43 ; J8.4 -15.36,5.43 ; J8.4 -14.68,4.75 ; J8.4 -14.68,6.1 ; 17.93,72.92 P8.2 ; P8.2 19.82,72.92 ; P8.2 18.87,71.98 ; P8.2 18.87,73.86 ; -34.47,21.18 P9.43 ; P9.43 -33.52,22.12 ; P9.43 -34.47,23.06 ; P9.43 -35.41,22.12 ; P8.1 18.87,71.32 ; P8.1 19.82,70.38 ; P8.1 18.87,69.44 ; P8.1 17.93,70.38 ; 42.48,37.11 MH8.1 ; MH8.1 39.41,40.19 ; MH8.1 42.48,43.27 ; MH8.1 45.56,40.19 ; 10.64,4.08 J7.14 11.81,4.08 ; J8.7 -11.18,7.6 ; J8.7 -11.86,6.93 ; J8.7 -11.18,6.25 ; J8.7 -10.5,6.93 ; J3.1 52.61,12.45 ; J3.1 51.92,11.76 ; J3.1 51.92,13.13 ; 39.99,3.91 J5.B12 40.47,4.39 ; 10.01,4.08 J7.8 8.84,4.08 ; J8.16 -11.18,10.8 ; J8.16 -10.5,10.13 ; J8.16 -11.86,10.13 ; J8.16 -11.18,9.45 ; -14.68,7.95 J8.13 ; J8.13 -14,8.63 ; J8.13 -15.36,8.63 ; J8.13 -14.68,9.3 ; J2.1 51.92,20.64 ; J2.1 52.61,19.95 ; J2.1 51.92,19.27 ; 34.37,4.39 J5.B1 34.85,3.91 ; J9.14 -35.63,0.47 ; J9.14 -36.71,-0.61 ; J9.14 -36.71,1.55 ; 25.77,0.42 J6.2 ; J6.2 25.77,1.97 ; J6.2 23.84,1.2 ; J6.2 27.7,1.2
  L6-GND w0.203: 40.37,3.33 40.37,3.81 J5.B12 ; J5.B1 34.49,3.79 34.49,3.28